# Altium PCB VCOCXO Breakout.PcbDoc (continued)
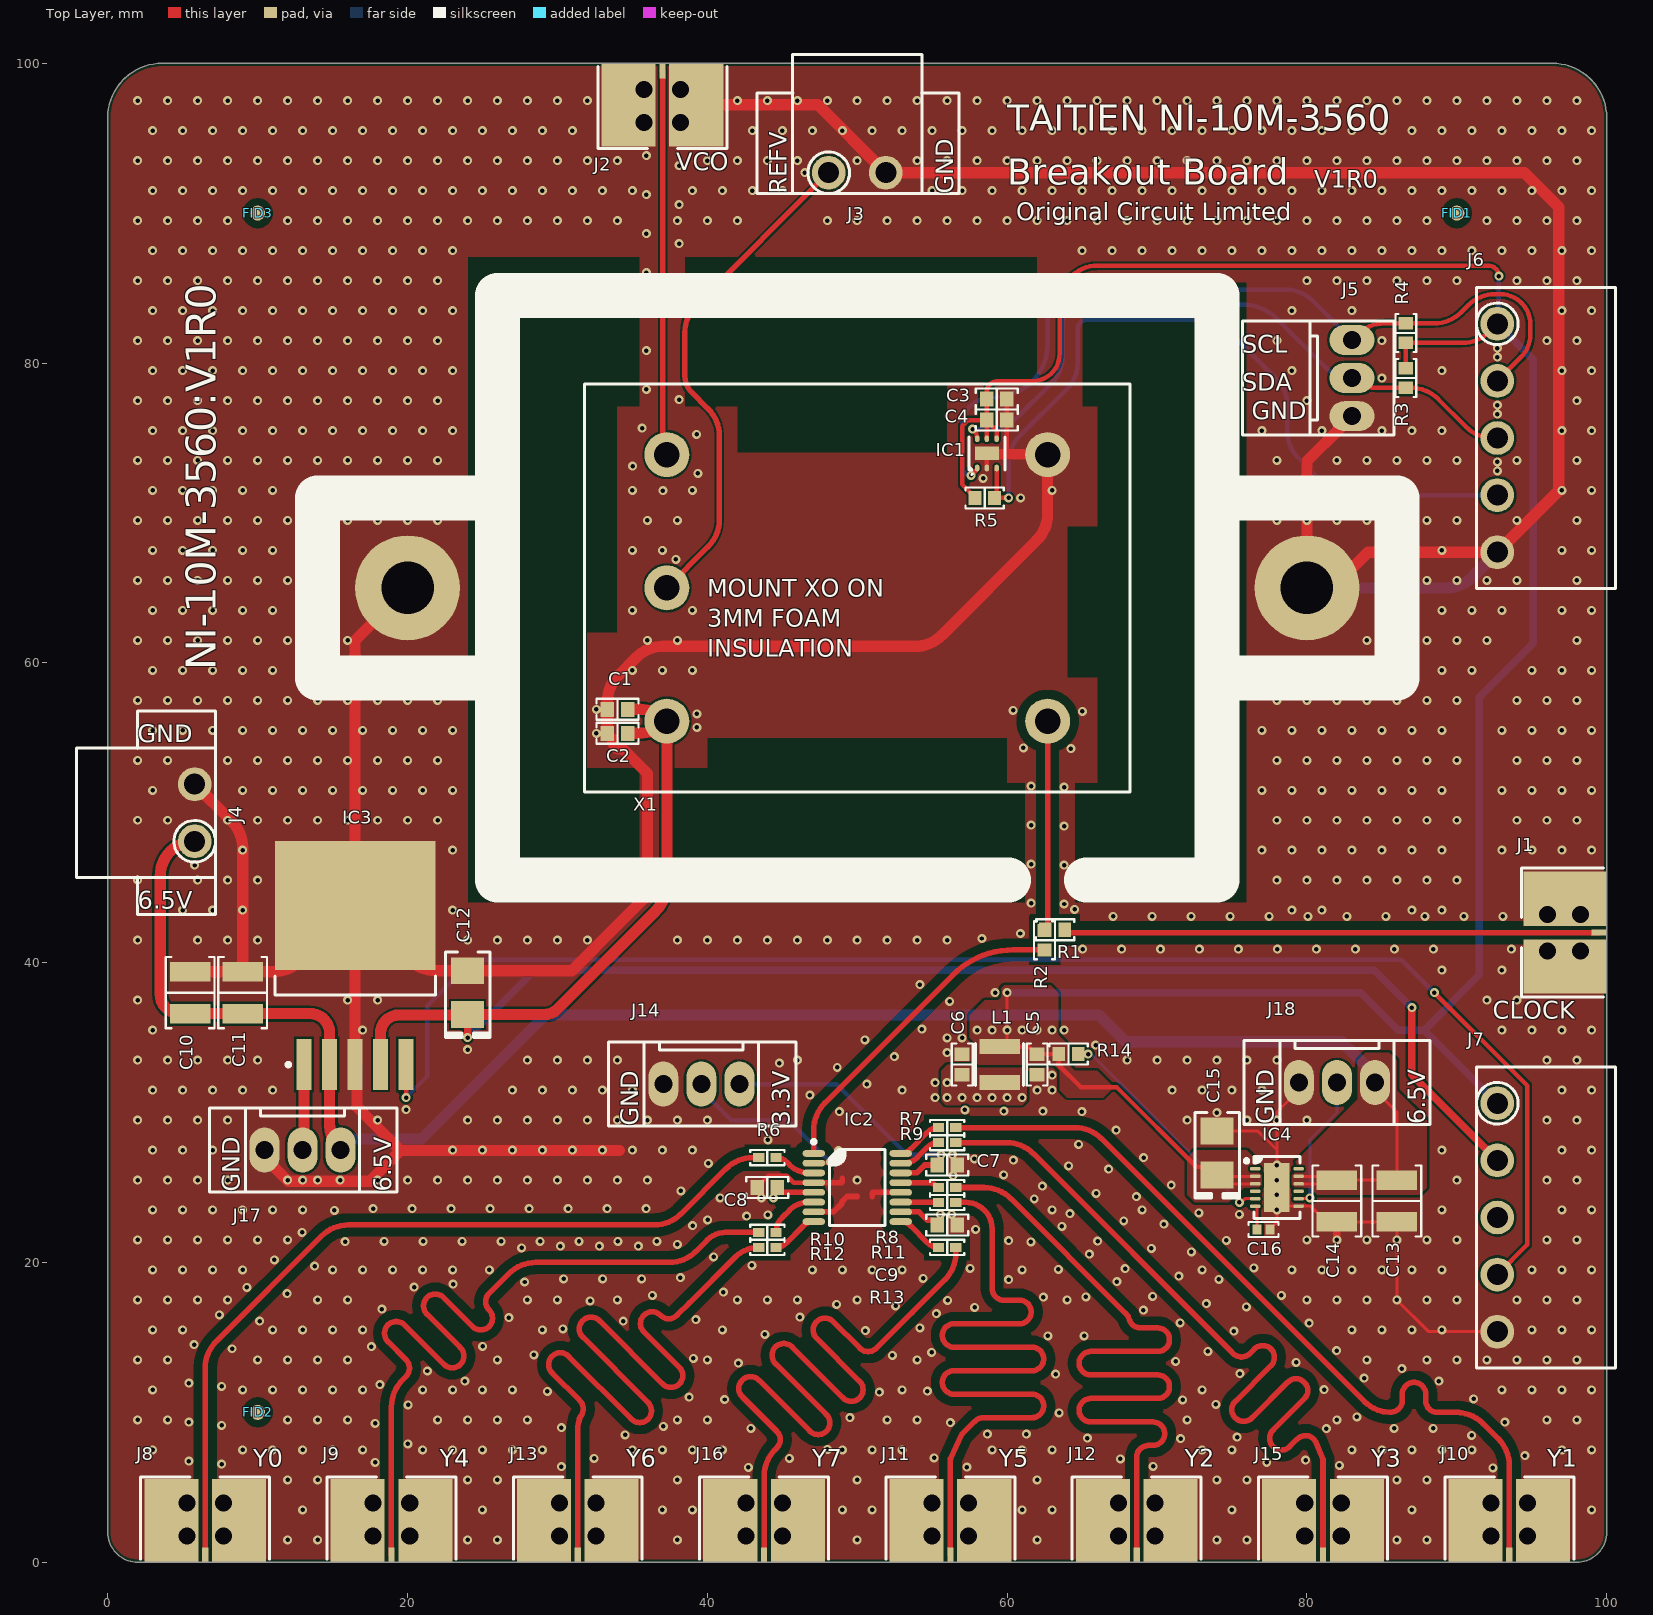
[diagram p0: Top Layer view]
## Nets (pads, with @x,y where several pads share a name; then routed paths per layer and width w, separated by ;. In a path a pad name is that pad's centre, name@x,y a point inside that pad or via, vN(x,y) a via of type N, cw(c..) or ccw(c..) an arc to the next point about the centre after c; other vN are vias at no path point) (continued)
  Bottom Layer w0.75: J17.1 15.54,27.662 16.117,28.239 20.939,28.239 29.2,36.5 66.114,36.5 67.889,34.725 82.315,34.725 84.54,32.5 J18.1
BYP: C16.2 IC4.6 | length 1.6
  Top Layer w0.2: IC4.6 76.637,23.75 76.66,23.727 C16.2
CLK_IN: IC2.1 R2.1 | length 22.2
  Top Layer w0.367: IC2.1 47.1,28.848 cw(c49.64,28.848) 47.844,30.644 56.387,39.187 cw(c60.402,35.172) 60.402,40.85 R2.1 ; IC2.1@47.108,27.283 IC2.1@47.115,27.277
CLK_OUT: R1.1 R2.2 X1.4 | length 14
  Top Layer w0.367: R2.2 ccw(c62.017,42.633) 62.7,42.633 X1.4
CLK_SMA: J1.S R1.2 | length 35.7
  Top Layer w0.367: R1.2 ccw(c64.333,42.683) 64.333,42 J1.S
CLK_Y0: J8.S R6.2 | length 55.4
  Top Layer w0.367: J8.S 6.5,12.948 cw(c9.04,12.948) 7.244,14.744 14.256,21.756 cw(c16.052,19.96) 16.052,22.5 36.448,22.5 ccw(c36.448,25.04) 38.244,23.244 41.256,26.256 cw(c43.052,24.46) 43.052,27 R6.2
CLK_Y1: J10.S R7.2 | length 55
  Top Layer w0.367: R7.2 64.5,29 cw(c64.5,26.46) 66.296,28.256 83.808,10.744 ccw(c85.604,12.54) 85,10.073 ccw(c85.604,12.54) 85.184,10.035 85.51,10.008 ccw(c85.576,10.789) 86.359,10.789 86.359,11.216 cw(c87.143,11.216) 87.927,11.216 87.927,10.784 ccw(c88.71,10.784) 88.71,10 89.93,10 89.948,10 cw(c89.948,7.46) 90.127,9.994 cw(c89.948,7.46) 90.304,9.975 cw(c89.948,7.46) 91.744,9.256 92.756,8.244 cw(c90.96,6.448) 93.5,6.448 J10.S
CLK_Y2: J12.S R8.2 | length 55.2
  Top Layer w0.367: R8.2 58.448,25 cw(c58.448,22.46) 60.244,24.256 67.899,16.601 cw(c66.103,14.805) 67.903,16.597 cw(c66.103,14.805) 68.069,16.413 68.163,16.149 ccw(c68.901,16.413) 68.901,15.629 70.049,15.629 cw(c70.049,14.845) 70.049,14.062 65.586,14.062 ccw(c65.586,13.278) 65.586,12.494 70.049,12.494 cw(c70.049,11.711) 70.049,10.927 65.586,10.927 ccw(c65.586,10.143) 65.586,9.359 69.723,9.359 cw(c69.723,8.576) 69.723,7.792 69.427,7.792 ccw(c69.427,7.008) 68.643,7.008 68.643,5.428 J12.S
CLK_Y3: J15.S R9.2 | length 55.2
  Top Layer w0.367: R9.2 59.948,28 cw(c59.948,25.46) 61.744,27.256 74.95,14.05 75.08,13.92 ccw(c75.634,14.474) 76.188,13.92 76.494,14.226 cw(c77.048,13.672) 77.602,14.226 cw(c77.048,13.672) 77.602,13.118 75.22,10.736 ccw(c75.775,10.182) 75.22,9.627 ccw(c75.775,10.182) 76.329,9.627 78.711,12.009 cw(c79.265,11.455) 79.819,12.009 cw(c79.265,11.455) 79.819,10.901 77.739,8.821 ccw(c78.293,8.267) 77.739,7.713 ccw(c78.293,8.267) 78.847,7.713 79.346,8.211 cw(c79.9,7.657) 80.624,7.957 81.071,6.876 81.071,6.329 J15.S
CLK_Y4: J9.S R10.2 | length 55.2
  Top Layer w0.367: J9.S 18.929,10.376 cw(c21.469,10.376) 19.673,12.173 19.771,12.271 19.901,12.401 ccw(c19.347,12.955) 19.901,13.51 18.688,14.723 cw(c19.242,15.277) 18.688,15.831 cw(c19.242,15.277) 19.796,15.831 22.424,13.204 ccw(c22.978,13.758) 23.532,13.204 ccw(c22.978,13.758) 23.532,14.312 21.293,16.551 cw(c21.847,17.105) 21.293,17.659 cw(c21.847,17.105) 22.401,17.659 24.335,15.726 ccw(c24.889,16.28) 25.443,15.726 ccw(c24.889,16.28) 25.443,16.835 cw(c25.997,17.389) 25.443,17.943 26.31,18.81 26.756,19.256 cw(c28.552,17.46) 28.552,20 37.448,20 ccw(c37.448,22.54) 39.244,20.744 40,21.5 cw(c41.207,20.293) 41.207,22 R10.2
CLK_Y5: J11.S R11.2 | length 55.2
  Top Layer w0.367: J11.S 56.214,6.715 cw(c58.754,6.715) 56.214,6.719 cw(c58.754,6.715) 56.221,6.902 56.958,8.511 57.863,9.416 cw(c58.417,8.862) 58.417,9.645 61.652,9.645 ccw(c61.652,10.429) 61.652,11.213 56.463,11.213 cw(c56.463,11.997) 56.463,12.78 61.652,12.78 ccw(c61.652,13.564) 61.652,14.348 56.463,14.348 cw(c56.463,15.131) 56.463,15.915 60.821,15.915 ccw(c60.821,16.699) 60.821,17.483 59.784,17.483 cw(c59.784,18.266) 59,18.266 59,19.552 59,22.234 ccw(c57.23,22.234) 58.481,23.486 ccw(c57.24,22.245) 57.24,24 R11.2
CLK_Y6: J13.S R12.2 | length 55.2
  Top Layer w0.367: J13.S 31.357,8.805 cw(c33.897,8.805) 31.443,9.458 cw(c33.897,8.805) 31.504,9.657 31.599,9.806 ccw(c30.936,10.225) 31.49,10.779 29.637,12.632 cw(c30.191,13.186) 29.637,13.741 cw(c30.191,13.186) 30.745,13.741 34.94,9.546 ccw(c35.494,10.1) 36.049,9.546 ccw(c35.494,10.1) 36.049,10.654 31.689,15.013 cw(c32.244,15.567) 31.689,16.121 cw(c32.244,15.567) 32.798,16.121 37.022,11.897 ccw(c37.576,12.451) 38.13,11.897 ccw(c37.576,12.451) 38.13,13.006 35.764,15.372 cw(c36.318,15.926) 35.764,16.48 cw(c36.318,15.926) 36.872,16.48 ccw(c37.426,17.035) 37.98,16.48 38.804,17.304 41.846,20.346 cw(c43.425,18.767) R12.2
CLK_Y7: J16.S R13.2 | length 55.2
  Top Layer w0.367: J16.S 43.786,5.734 cw(c46.326,5.734) 44.5,7.5 cw(c46.326,5.734) 44.53,7.53 44.63,7.63 ccw(c44.076,8.184) 44.63,8.738 42.329,11.04 cw(c42.883,11.594) 42.329,12.148 cw(c42.883,11.594) 43.437,12.148 46.839,8.746 ccw(c47.393,9.3) 47.947,8.746 ccw(c47.393,9.3) 47.947,9.854 44.545,13.256 cw(c45.1,13.81) 44.545,14.365 cw(c45.1,13.81) 45.654,14.365 49.056,10.963 ccw(c49.61,11.517) 50.164,10.963 ccw(c49.61,11.517) 50.164,12.071 47.289,14.946 cw(c47.844,15.5) 47.289,16.054 cw(c47.844,15.5) 48.398,16.054 ; 48.398,16.054 50.172,14.28 ccw(c50.726,14.834) 51.28,14.28 53.654,16.654 55.831,18.831 ccw(c54.035,20.627) 56.575,20.627 R13.2
ERR_5V: IC3.5 J7.4 | length 100.5
  Top Layer w0.3: v1(19.9,31) IC3.5 ; v1(88.5,38) 94.7,31.8 94.7,21.192 J7.4
  Bottom Layer w0.3: v1(19.9,31) 21.3,32.4 21.3,37.1 24.4,40.2 86.3,40.2 v1(88.5,38)
GND: C1.1 C2.2 C3.1 C4.2 C5.1 C6.1 C7.2 C8.2 C9.2 C10.1 C11.1 C12.2 C13.1 C14.1 C15.2 C16.1 IC1.2 IC1.7 IC2.4 IC2.7 IC2.12 IC3.3 IC3.6 IC4.7 IC4.13 J1.G J2.G J3.2 J4.2 J5.3 J6.5 J7.5 J8.G J9.G J10.G J11.G J12.G J13.G J14.3 J15.G J16.G J17.3 J18.3 pad.M pad.M1 X1.5 | length 352.2
  Top Layer w0.2: C15.2 76.74,28.76 78,27.5 ; C16.1 77.54,22.22 78,22.68 v1(78,23.5) 78.25,23.75 IC4.7 80.25,23.75 81.3,22.7 C14.1 C13.1 v1(86,21.5) v1(86,17.5) 88.12,15.38 J7.5 ; v1(78,26.5) 78,27.5 ; J18.3 79.46,31.5 78,30.04 78,27.5
  Top Layer w0.3: v1(43.6,24.3) 43.6,24.725 C8.2 43.325,25.05 44.075,25.8 45.3,25.8 45.775,25.325 IC2.4 ; v1(56.3,23.2) 56.3,23.119 56.375,23.044 56.375,22.8 C9.2 ; v1(56.35,27.2) 56.375,27.175 56.375,26.8 C7.2 ; IC1.2 IC1.7 ; C3.1 C4.2 59.975,74.057 60.1,73.932
  Top Layer w0.381: IC2.7 48.422,23.375 48.96,23.914 48.96,24.035 49.325,24.4 50,24.4 ; IC2.4 48.96,25.325 49,25.364 49,25.6 ; 51,24.4 51,24.636 51.039,24.675 IC2.12
  Top Layer w0.5: v1(82,21.5) C14.1
  Top Layer w0.7: IC1.7 58.693,73.932 60.1,73.932 62.657,73.932 X1.5
  Top Layer w0.75: C10.1 C11.1 ; J4.2 8.256,49.451 cw(c6.46,47.655) 9,47.655 C11.1 ; J17.3 10.46,27 12.035,25.425 17.505,25.425 19.54,27.46 ; pad.M1 16.5,61.5 IC3.6 ; 34.12,27.46 19.54,27.46 ; J2.G@39.26,97.23 47.373,97.23 J3.2 94.502,92.698 96.8,90.4 96.8,71.482 J6.5 84.071,67.38 81.691,65 pad.M 80,73.46 82.261,75.721 82.261,75.883 82.838,76.46 J5.3 ; X1.5 62.7,69.952 cw(c60.16,69.952) 61.956,68.156 55.644,61.844 cw(c53.848,63.64) 53.848,61.1 37.052,61.1 ccw(c37.052,58.56) 35.256,60.356 34.069,59.169 ccw(c35.865,57.373) 33.325,57.373 C1.1 C2.2 33.325,55.25 33.7,54.875 33.7,54.583 34.008,54.275 34.35,54.275 36,52.625 36,44.5 34.108,42.608 30.96,39.46 26.508,39.46 C12.2 21.892,39.46 cw(c21.892,42) 20.096,40.204 IC3.6 ; C11.1 11.048,39.4 ccw(c11.048,41.94) 12.844,40.144 IC3.6 ; IC3.6 IC3.3 16.625,33.075 16.625,30.375 19.54,27.46
  Bottom Layer w0.75: pad.M 89.266,65 ccw(c89.266,67.54) 91.062,65.744 J6.5
  other v1: 12,1.5 14,1.5 24,1.5 26,1.5 38,1.5 50,1.5 62,1.5 74,1.5 76,1.5 86,1.5 88,1.5 13,3.5 25,3.5 37,3.5 39,3.5 49,3.5 51,3.5 61,3.5 63,3.5 75,3.5 87,3.5 99,3.5 12,5.5 14,5.5 24,5.5 26,5.5 38,5.5 50,5.5 62,5.5 74,5.5 76,5.5 86,5.5 88,5.5 92.405,6.293 42.74,6.328 57.309,6.346 30.262,6.375 69.738,6.395 82.166,6.466 7.595,6.538 17.834,6.67 77.319,6.663 5.405,6.742 79.915,6.807 67.548,6.889 32.452,6.922 45.475,6.931 55.131,6.961 94.535,7.114 3,7.5 9,7.5 11,7.5 13,7.5 15,7.5 17,7.5 21,7.5 23,7.5 25,7.5 27,7.5 29,7.5 35,7.5 37,7.5 39,7.5 41,7.5 49,7.5 51,7.5 53,7.5 59,7.5 61,7.5 63,7.5 73,7.5 75,7.5 83,7.5 85,7.5 87,7.5 89,7.5 91,7.5 97,7.5 99,7.5 48.006,7.525 20.024,7.897 71.57,8.24 65.353,8.283 75.345,8.355 90.982,8.469 34.522,8.495 58.688,8.55 61.288,8.55 42.896,8.923 81.294,8.915 85.823,8.93 88.423,8.93 30.268,8.975 37.06,9.06 7.595,9.138 17.834,9.27 5.405,9.342 56.22,9.322 93.202,9.346 2,9.5 4,9.5 12,9.5 14,9.5 16,9.5 22,9.5 24,9.5 26,9.5 28,9.5 38,9.5 40,9.5 52,9.5 54,9.5 72,9.5 82,9.5 96,9.5 98,9.5 49.516,9.641 83.339,9.699 63.47,9.965 20.038,10.497 73.93,10.536 71.711,10.837 41.158,10.857 91.12,10.902 38.779,11.011 51.479,11.347 29.323,11.397 54.677,11.415 3,11.5 9,11.5 11,11.5 13,11.5 15,11.5 17,11.5 21,11.5 23,11.5 25,11.5 27,11.5 53,11.5 73,11.5 93,11.5 95,11.5 97,11.5 99,11.5 81.141,11.511 7.595,11.738 18.149,11.851 5.405,11.942 23.831,12.085 88.806,12.088 83.818,12.283 63.235,12.554 75.525,12.589 21.32,12.759 86.34,12.913 42.077,13.29 79.284,13.331 71.237,13.393 2,13.5 4,13.5 10,13.5 12,13.5 14,13.5 16,13.5 26,13.5 40,13.5 54,13.5 84,13.5 88,13.5 90,13.5 92,13.5 94,13.5 96,13.5 98,13.5 39.062,13.595 52.346,13.798 28.432,13.84 54.969,13.998 73.385,14.066 81.979,14.122 8.292,14.243 17.588,14.39 25.005,14.405 5.759,14.517 62.725,15.104 65.136,15.099 43.838,15.202 75.133,15.415 50.547,15.453 3,15.5 5,15.5 11,15.5 13,15.5 15,15.5 17,15.5 29,15.5 41,15.5 83,15.5 85,15.5 87,15.5 89,15.5 95,15.5 97,15.5 99,15.5 30.368,15.576 54.185,15.636 71.547,15.975 80.141,15.96 10.13,16.081 34.39,16.078 39.238,16.189 26.765,16.319 46.17,16.352 7.447,16.495 55.271,16.58 69.085,16.811 18.29,16.893 57.835,17.01 75.968,17.035 52.556,17.104 48.626,17.205 73.295,17.254 32.177,17.443 56.023,17.475 2,17.5 4,17.5 6,17.5 8,17.5 14,17.5 16,17.5 28,17.5 30,17.5 34,17.5 42,17.5 44,17.5 46,17.5 50,17.5 64,17.5 80,17.5 82,17.5 84,17.5 88,17.5 90,17.5 94,17.5 96,17.5 98,17.5 62.418,17.686 65.255,17.697 69.708,17.743 36.336,17.802 78.302,17.799 11.969,17.92 41.076,18.028 9.285,18.334 20.442,18.353 23.034,18.558 27.818,18.696 67.324,18.725 60.095,18.854 74.13,18.874 30.41,18.905 33.01,18.905 35.61,18.905 54.394,18.943 38.209,18.988 71.456,19.092 3,19.5 5,19.5 7,19.5 9,19.5 15,19.5 17,19.5 19,19.5 21,19.5 23,19.5 25.456,19.504 47,19.5 49,19.5 51,19.5 53,19.5 61,19.5 73,19.5 79,19.5 81,19.5 83,19.5 85,19.5 87,19.5 89,19.5 95,19.5 97,19.5 99,19.5 63.416,19.535 67.87,19.581 57.523,19.599 76.464,19.637 13.807,19.758 42.977,19.802 11.124,20.172 40.414,20.365 65.486,20.563 72.291,20.712 69.618,20.931 27.605,20.967 30.202,21.095 32.802,21.095 35.402,21.095 37.999,21.207 15.838,21.382 61.578,21.374 18.438,21.405 21.038,21.405 23.638,21.405 26.238,21.405 28.838,21.405 31.438,21.405 34.038,21.405 36.638,21.412 66.032,21.42 60.095,21.454 74.625,21.476 2,21.5 4,21.5 6,21.5 8,21.5 10,21.5 12,21.5 80,21.5 84,21.5 88,21.5 90,21.5 96,21.5 98,21.5 12.962,22.011 57.901,22.209 63.647,22.401 39.016,22.462 70.453,22.551 67.779,22.769 40.026,22.835 42.613,23.095 44.035,23.177 75.5,23.2 64.193,23.258 72.787,23.314 15.114,23.47 3,23.5 5,23.5 7,23.5 9,23.5 11,23.5 13,23.5 63,23.5 69,23.5 89,23.5 97,23.5 99,23.5 17.711,23.595 20.311,23.595 22.911,23.595 25.511,23.595 28.111,23.595 30.711,23.595 33.311,23.595 35.911,23.595 61.809,24.24 40.852,24.303 68.614,24.389 78,24.5 65.941,24.608 38.228,24.776 62.355,25.097 70.948,25.152 2,25.5 4,25.5 6,25.5 8,25.5 12,25.5 13,25.5 14,25.5 15.5,25.5 18,25.5 20,25.5 22,25.5 24,25.5 26,25.5 28,25.5 30,25.5 32,25.5 34,25.5 36,25.5 50,25.5 78,25.5 90,25.5 96,25.5 98,25.5 56.4,25.8 59.764,25.846 66.776,26.228 64.102,26.446 40.066,26.615 60.408,26.821 57.81,26.905 69.11,26.991 48.744,27.456 3,27.5 5,27.5 7,27.5 23,27.5 25,27.5 27,27.5 29,27.5 31,27.5 33,27.5 35,27.5 37,27.5 39,27.5 89,27.5 97,27.5 99,27.5 64.765,27.877 44.035,28.177 67.271,28.829 2,29.5 4,29.5 6,29.5 8,29.5 18,29.5 24,29.5 26,29.5 28,29.5 30,29.5 32,29.5 34,29.5 36,29.5 38,29.5 40,29.5 72,29.5 76,29.5 78,29.5 80,29.5 96,29.5 98,29.5 74,30 48.804,30.055 64.983,30.065 59.784,30.095 62.384,30.095 57.185,30.177 19.9,30.2 55.2,31 46.842,31.163 3,31.5 5,31.5 7,31.5 9,31.5 11,31.5 27,31.5 29,31.5 31,31.5 33,31.5 35,31.5 53,31.5 62,31.5 63,31.5 71,31.5 73,31.5 75,31.5 77,31.5 97,31.5 99,31.5 50.642,31.894 55.2,32 63,32.5 48.666,33.015 44.8,33.3 2,33.5 4,33.5 6,33.5 8,33.5 10,33.5 28,33.5 30,33.5 32,33.5 34,33.5 46,33.5 68,33.5 70,33.5 72,33.5 74,33.5 76,33.5 78,33.5 96,33.5 98,33.5 52.481,33.732 56,34 24,34.2 65.9,34.5 50.505,34.853 56,34.975 57,34.975 3,35.5 17,35.5 63.8,35.5 93,35.5 95,35.5 97,35.5 99,35.5 54.319,35.571 56.158,37.409 2,37.5 16,37.5 18,37.5 92,37.5 94,37.5 59.2,38 54.182,38.53 89,39.5 93,39.5 65.031,40.905 67.631,40.905 70.231,40.905 72.831,40.905 75.431,40.905 78.031,40.905 80.631,40.905 83.231,40.905 85.831,40.905 88.431,40.905 93.631,40.905 2,41.5 6,41.5 8,41.5 10,41.5 24,41.5 26,41.5 28,41.5 30,41.5 32,41.5 38,41.5 40,41.5 42,41.5 44,41.5 46,41.5 48,41.5 50,41.5 52,41.5 54,41.5 56,41.5 58.312,41.612 60.891,41.945 67.07,43.095 69.67,43.095 72.27,43.095 74.87,43.095 77.47,43.095 80.07,43.095 82.67,43.095 85.27,43.095 87.87,43.095 90.47,43.095 93.07,43.095 5,43.5 7,43.5 9,43.5 23,43.5 79,43.5 81,43.5 87,43.5 89,43.5 64.51,43.552 63.795,43.913 61.605,43.977 2,45.5 6,45.5 8,45.5 10,45.5 78,45.5 80,45.5 82,45.5 84,45.5 86,45.5 88,45.5 90,45.5 5.8,46.5 63.795,46.513 61.605,46.577 9,47.5 23,47.5 77,47.5 79,47.5 81,47.5 83,47.5 85,47.5 87,47.5 89,47.5 93,47.5 95,47.5 97,47.5 99,47.5 63.795,49.113 61.605,49.177 2,49.5 4,49.5 8,49.5 10,49.5 12,49.5 14,49.5 16,49.5 18,49.5 20,49.5 22,49.5 78,49.5 80,49.5 82,49.5 84,49.5 86,49.5 88,49.5 90,49.5 94,49.5 96,49.5 98,49.5 3,51.5 9,51.5 11,51.5 13,51.5 15,51.5 17,51.5 19,51.5 21,51.5 23,51.5 77,51.5 79,51.5 81,51.5 83,51.5 85,51.5 87,51.5 89,51.5 93,51.5 95,51.5 97,51.5 99,51.5 63.795,51.713 61.605,51.777 2,53.5 4,53.5 8,53.5 10,53.5 12,53.5 14,53.5 16,53.5 18,53.5 20,53.5 22,53.5 78,53.5 80,53.5 82,53.5 84,53.5 86,53.5 88,53.5 90,53.5 94,53.5 96,53.5 98,53.5 64.256,54.272 61.081,54.324 32.6,55.3 3,55.5 5,55.5 7,55.5 9,55.5 11,55.5 13,55.5 15,55.5 17,55.5 19,55.5 21,55.5 23,55.5 77,55.5 79,55.5 81,55.5 83,55.5 85,55.5 87,55.5 89,55.5 93,55.5 95,55.5 97,55.5 99,55.5 39.3,55.7 39.3,56.6 65.02,56.757 60.404,56.834 32.6,56.9 2,57.5 4,57.5 6,57.5 8,57.5 10,57.5 12,57.5 14,57.5 16,57.5 18,57.5 20,57.5 22,57.5 78,57.5 80,57.5 82,57.5 84,57.5 86,57.5 88,57.5 90,57.5 94,57.5 96,57.5 98,57.5 3,59.5 5,59.5 7,59.5 9,59.5 11,59.5 13,59.5 15,59.5 17,59.5 19,59.5 21,59.5 23,59.5 35,59.5 37,59.5 39,59.5 77,59.5 79,59.5 81,59.5 83,59.5 85,59.5 87,59.5 89,59.5 91,59.5 95,59.5 97,59.5 99,59.5 2,61.5 4,61.5 6,61.5 8,61.5 10,61.5 12,61.5 14,61.5 16,61.5 36,61.5 38,61.5 84,61.5 86,61.5 88,61.5 90,61.5 92,61.5 98,61.5 3,63.5 5,63.5 7,63.5 9,63.5 11,63.5 13,63.5 15,63.5 35,63.5 39,63.5 85,63.5 87,63.5 89,63.5 91,63.5 93,63.5 97,63.5 99,63.5 2,65.5 4,65.5 6,65.5 8,65.5 10,65.5 12,65.5 14,65.5 86,65.5 88,65.5 90,65.5 92,65.5 94,65.5 98,65.5 37.9,66.9 3,67.5 5,67.5 7,67.5 9,67.5 11,67.5 13,67.5 15,67.5 35,67.5 37,67.5 85,67.5 87,67.5 89,67.5 97,67.5 99,67.5 2,69.5 4,69.5 6,69.5 8,69.5 10,69.5 12,69.5 14,69.5 16,69.5 18,69.5 20,69.5 22,69.5 36,69.5 38,69.5 78,69.5 80,69.5 82,69.5 84,69.5 86,69.5 88,69.5 90,69.5 94,69.5 98,69.5 60.9,71 3,71.5 5,71.5 7,71.5 9,71.5 11,71.5 13,71.5 15,71.5 17,71.5 19,71.5 21,71.5 23,71.5 35,71.5 37.035,71.497 39,71.5 63,71.5 77,71.5 79,71.5 97,71.5 99,71.5 58.4,72.3 39.366,72.648 92.7,72.8 35.014,73.133 92.7,73.4 2,73.5 4,73.5 6,73.5 8,73.5 10,73.5 12,73.5 14,73.5 16,73.5 18,73.5 20,73.5 22,73.5 78,73.5 82,73.5 84,73.5 86,73.5 88,73.5 90,73.5 94,73.5 98,73.5 39.29,75.246 3,75.5 5,75.5 7,75.5 9,75.5 11,75.5 13,75.5 15,75.5 17,75.5 19,75.5 21,75.5 23,75.5 77,75.5 81,75.5 85,75.5 87,75.5 89,75.5 97,75.5 99,75.5 35.654,75.653 92.7,76.6 92.7,77.2 2,77.5 4,77.5 6,77.5 8,77.5 10,77.5 12,77.5 14,77.5 16,77.5 18,77.5 20,77.5 22,77.5 80,77.5 98,77.5 38.116,77.566 35.934,78.237 85,79 3,79.5 5,79.5 7,79.5 9,79.5 11,79.5 13,79.5 15,79.5 17,79.5 19,79.5 21,79.5 23,79.5 79,79.5 89,79.5 97,79.5 99,79.5 92.7,80.4 35.934,80.837 92.7,81 2,81.5 4,81.5 6,81.5 8,81.5 10,81.5 12,81.5 14,81.5 16,81.5 18,81.5 20,81.5 22,81.5 78,81.5 85,81.5 96,81.5 98,81.5 35.934,83.437 3,83.5 5,83.5 7,83.5 9,83.5 11,83.5 13,83.5 15,83.5 17,83.5 19,83.5 21,83.5 23,83.5 79,83.5 83,83.5 97,83.5 99,83.5 38.116,85.366 2,85.5 4,85.5 6,85.5 8,85.5 10,85.5 12,85.5 14,85.5 16,85.5 18,85.5 20,85.5 22,85.5 80,85.5 82,85.5 84,85.5 86,85.5 88,85.5 90,85.5 94,85.5 96,85.5 98,85.5 35.934,86.037 3,87.5 5,87.5 7,87.5 9,87.5 11,87.5 13,87.5 15,87.5 17,87.5 19,87.5 21,87.5 23,87.5 65,87.5 67,87.5 69,87.5 71,87.5 73,87.5 75,87.5 77,87.5 79,87.5 81,87.5 83,87.5 85,87.5 87,87.5 89,87.5 91,87.5 93,87.5 95,87.5 97,87.5 99,87.5 38.116,87.966 35.934,88.637 2,89.5 4,89.5 6,89.5 8,89.5 12,89.5 14,89.5 16,89.5 18,89.5 20,89.5 22,89.5 24,89.5 26,89.5 28,89.5 30,89.5 32,89.5 34,89.5 38,89.5 40,89.5 42,89.5 48,89.5 50,89.5 52,89.5 54,89.5 56,89.5 58,89.5 60,89.5 62,89.5 64,89.5 66,89.5 68,89.5 70,89.5 72,89.5 74,89.5 76,89.5 78,89.5 80,89.5 82,89.5 84,89.5 86,89.5 88,89.5 92,89.5 94,89.5 96,89.5 98,89.5 38.116,90.566 35.934,91.237 3,91.5 5,91.5 7,91.5 9,91.5 11,91.5 13,91.5 15,91.5 17,91.5 19,91.5 21,91.5 23,91.5 25,91.5 27,91.5 29,91.5 31,91.5 33,91.5 35,91.5 39,91.5 41,91.5 43,91.5 45,91.5 55,91.5 57,91.5 59,91.5 61,91.5 63,91.5 65,91.5 67,91.5 69,91.5 71,91.5 73,91.5 75,91.5 77,91.5 79,91.5 81,91.5 83,91.5 85,91.5 87,91.5 89,91.5 91,91.5 93,91.5 95,91.5 97,91.5 99,91.5 46.5,92.7 38.116,93.166 2,93.5 4,93.5 6,93.5 8,93.5 10,93.5 12,93.5 14,93.5 16,93.5 18,93.5 20,93.5 22,93.5 24,93.5 26,93.5 28,93.5 30,93.5 32,93.5 34,93.5 40,93.5 42,93.5 44,93.5 46,93.5 50,93.5 54,93.5 56,93.5 58,93.5 60,93.5 62,93.5 64,93.5 66,93.5 68,93.5 70,93.5 72,93.5 74,93.5 76,93.5 78,93.5 80,93.5 82,93.5 84,93.5 86,93.5 88,93.5 90,93.5 92,93.5 94,93.5 96,93.5 98,93.5 35.934,93.837 3,95.5 5,95.5 7,95.5 9,95.5 11,95.5 13,95.5 15,95.5 17,95.5 19,95.5 21,95.5 23,95.5 25,95.5 27,95.5 29,95.5 31,95.5 43,95.5 45,95.5 47,95.5 49,95.5 51,95.5 53,95.5 55,95.5 57,95.5 59,95.5 61,95.5 63,95.5 65,95.5 67,95.5 69,95.5 71,95.5 73,95.5 75,95.5 77,95.5 79,95.5 81,95.5 83,95.5 85,95.5 87,95.5 89,95.5 91,95.5 93,95.5 95,95.5 97,95.5 99,95.5 2,97.5 4,97.5 6,97.5 8,97.5 10,97.5 12,97.5 14,97.5 16,97.5 18,97.5 20,97.5 22,97.5 24,97.5 26,97.5 28,97.5 30,97.5 32,97.5 42,97.5 44,97.5 46,97.5 48,97.5 50,97.5 52,97.5 54,97.5 56,97.5 58,97.5 60,97.5 62,97.5 64,97.5 66,97.5 68,97.5 70,97.5 72,97.5 74,97.5 76,97.5 78,97.5 80,97.5 82,97.5 84,97.5 86,97.5 88,97.5 90,97.5 92,97.5 94,97.5 96,97.5 98,97.5
OUT_EN: IC2.2 J14.2 | length 12.1
  Top Layer w0.3: IC2.2 47.129,26.654 48.154,26.654 v1(48.2,26.7)
  Bottom Layer w0.3: J14.2 39.6,31.5 41.6,29.5 45.4,29.5 v1(48.2,26.7)
SCL: IC1.1 J5.1 J6.2 R4.2 | length 56.2
  Top Layer w0.3: v1(57.6,72.5) 57.6,72.525 58,72.925 IC1.1 ; J5.1 83.366,81.906 cw(c85.162,80.11) 85.162,82.65 88.498,82.65 ccw(c88.498,85.19) 90.294,83.394 90.756,83.856 cw(c92.552,82.06) 92.552,84.6 92.893,84.6 cw(c92.893,82.593) 94.9,82.593 94.9,81.9 cw(c92.756,81.9) 94.272,80.384 J6.2
  Bottom Layer w0.3: v1(57.6,72.5) cw(c57.6,73.1) 57,73.1 57,75.855 cw(c58.803,75.855) 58.415,77.615 cw(c58.803,75.855) 58.633,77.649 ; 58.803,77.657 ccw(c58.803,75.855) 58.633,77.649 ; J5.1 80.384,84.156 ccw(c78.588,82.36) 78.588,84.9 64.7,84.9 ccw(c64.7,82.9) 62.7,82.9 62.7,81.261 cw(c59.172,81.261) 61.667,78.767 cw(c59.437,80.998) 60.648,78.085 cw(c58.446,83.39) 58.633,77.649
SD_3V3REG: IC4.8 J18.2 | length 9.2
  Top Layer w0.2: IC4.8 79.46,24.26 80.16,24.26 v1(80.2,24.3)
  Bottom Layer w0.2: v1(80.2,24.3) 80.2,28.2 82,30 J18.2
SD_5VREG: IC3.1 J17.2 | length 5.7
  Top Layer w0.75: J17.2 ccw(c12.759,27.741) 13.1,27.741 IC3.1
SDA: IC1.6 J5.2 J6.3 R3.2 | length 44.3
  Top Layer w0.3: v1(57.7,75.6) 57.7,75.7 cw(c56.976,74.976) 58,74.976 IC1.6 ; J5.2 ccw(c84.569,80.569) 84.569,78.35 R3.2 86.948,78.35 cw(c86.948,75.81) 88.744,77.606 90.606,75.744 ccw(c92.402,77.54) 92.402,75 J6.3
  Bottom Layer w0.3: v1(57.7,75.6) 58.848,75.6 ccw(c58.848,78.14) 60.644,76.344 62.956,78.656 ccw(c61.16,80.452) 63.7,80.452 63.7,82.517 cw(c65.083,82.517) 65.083,83.9 75.713,83.9 cw(c75.713,80.677) 77.992,82.956 81.204,79.744 ccw(c83,81.54) J5.2
TEMP_ALERT: IC1.3 J6.4 R5.2 | length 51
  Top Layer w0.3: IC1.3 59.3,71.15 R5.2 v1(60.1,71)
  Bottom Layer w0.3: v1(60.1,71) 60.1,73.348 cw(c62.64,73.348) 60.844,75.144 64.028,78.328 ccw(c62.406,79.95) 64.7,79.95 64.7,82.259 cw(c65.341,82.259) 65.341,82.9 72.948,82.9 cw(c72.948,80.36) 74.744,82.156 77.956,78.944 cw(c76.16,77.148) 78.7,77.148 78.7,75.39 ccw(c81.09,75.39) 79.4,73.7 81.166,71.934 ccw(c82.962,73.73) 82.962,71.19 J6.4
VCO: J2.S X1.1 | length 25.7
  Top Layer w0.36: J2.S 37.025,99.475 37.025,74.165 X1.1
XO_REFV: J3.1 X1.2 | length 33.7
  Top Layer w0.36: X1.2 40.056,67.756 ccw(c38.26,69.552) 40.8,69.552 40.8,75.148 ccw(c38.26,75.148) 40.056,76.944 38.944,78.056 cw(c40.016,79.128) 38.5,79.128 38.5,82.051 cw(c41.04,82.051) 39.244,83.847 J3.1
Y0: IC2.3 R6.1 | length 2.8
  Top Layer w0.367: R6.1 cw(c44.575,25.974) 45.301,26.699 45.5,26.5 ccw(c46.767,27.767) 46.767,25.975 IC2.3
Y1: IC2.16 R7.1 | length 3.2
  Top Layer w0.367: IC2.16 ccw(c52.9,28.18) 53.54,27.54 54.699,28.699 cw(c55.425,27.974) R7.1
Y2: IC2.13 R8.1 | length 2.6
  Top Layer w0.367: IC2.13 54.64,25.325 cw(c54.64,24.215) R8.1
Y3: IC2.15 R9.1 | length 3
  Top Layer w0.367: IC2.15 53.095,26.625 ccw(c53.095,27.905) 54,27 54.699,27.699 cw(c55.425,26.974) R9.1
Y4: IC2.6 R10.1 | length 3.6
  Top Layer w0.367: R10.1 cw(c45.963,22) 44.982,22.982 45.5,23.5 cw(c46.767,22.233) 46.767,24.025 IC2.6
Y5: IC2.11 R11.1 | length 2.5
  Top Layer w0.367: IC2.11 55.365,24.025 cw(c55.365,23.94) R11.1
Y6: IC2.8 R12.1 | length 3.2
  Top Layer w0.367: R12.1 ccw(c44.575,21.937) 45.238,21.274 46.397,22.434 cw(c47.1,21.731) IC2.8
Y7: IC2.9 R13.1 | length 3.2
  Top Layer w0.367: IC2.9 cw(c52.9,21.82) 53.54,22.46 54.699,21.301 ccw(c55.425,22.026) R13.1
pads on no net: FID1.F FID2.F FID3.F IC4.1 IC4.4 IC4.9 IC4.12 J7.3

## Polygon pours and split planes (outlines as drawn)
GND on Top Layer "GND_L01_P008" (solid, remove dead copper, pour order 8): 38.5,42.5 35.5,42.5 35.5,53.5 38.5,53.5
GND on Top Layer "GND_L01_P007" (solid, remove dead copper, pour order 7): 37.163,74.027 64,74.027 64,55 40,55 40,53 32,53 32,62 37,62
GND on Top Layer "GND_L01_P006" (solid, remove dead copper, pour order 6): 0,71.1 24,71.1 24,87.1 35.5,87.1 35.5,77.1 34,77.1 34,61.8 42,61.8 42,77.1 38.5,77.1 38.5,87.1 62,87.1 62,78.7 56,78.7 56,69.1 66,69.1 66,77.1 65,77.1 65,85.4 76,85.4 76,83.1 100,83.1 100,100.1 0,100.1
GND on Top Layer "GND_L01_P005" (solid, remove dead copper, pour order 5): 0,73 24,73 24,44 61.2,44 61.2,52 60,52 60,59 66,59 66,52 64.5,52 64.5,44 76,44 76,87 100,87 100,0 0,0
3V3BUF on Top Layer "3V3BUF_L01_P003" (solid, remove dead copper, pour order 3): 57.8,33.2 58,33 61,33 61.3,32.7 61.3,30.8 61,30.5 55.9,30.5 55.6,30.8 55.6,32.8 56,33.2
3V3 on Top Layer "3V3_L01_P002" (solid, remove dead copper, pour order 2): 57.8,33.5 57.8,34.7 57.5,35 57.5,36.5 58.5,37.5 59.4,37.5 59.6,37.7 59.6,38.3 59.8,38.5 62.9,38.5 63.4,38 63.4,35.2 64,34.6 64,33.3 64.5,32.8 66,32.8 67.1,31.7 66.4,31 64,31 63.5,31.5 63.5,32.8 63.1,33.2 58.1,33.2
3V3 on Top Layer "3V3_L01_P001" (solid, remove dead copper, pour order 1): 77,25 75.8,25 74.8,24 72.5,24 72,24.5 72,27 72.5,27.5 76,27.5 77,26.5
6V5 on Top Layer "6V5_L01_P000" (solid, remove dead copper, pour order 0): 79,25 80.2,25 80.7,24.5 87.5,24.5 88,25 88,29.5 86,31.5 86,33.5 85.5,34 83.9,34 83.4,33.5 83.4,30.9 79,26.5
GND on Bottom Layer "GND_L04_P016" (solid, remove dead copper, pour order 16): 77,100 77,86 23,86 23,100
GND on Bottom Layer "GND_L04_P015" (solid, remove dead copper, pour order 15): 100,100 100,0 0,0 0,100 25,100 25,44 75,44 75,100
3V3BUF on Bottom Layer "3V3BUF_L04_P004" (solid, remove dead copper, pour order 4): 61,33 61.3,32.7 61.3,30.8 61,30.5 56.6,30.5 56,29.9 56,23 55,22 46,22 44,24 44,25 44.3,25.3 46.7,25.3 48.5,23.5 51.5,23.5 53.8,25.8 53.8,32.5 54.3,33
GND on 1 GND "GND_L02_P011" (solid, remove dead copper, pour order 11): 61.2,43.503 61.2,52 60,52 60,59 65.5,59 65.5,52 64.5,52 64.5,43.552 64.51,43.552
GND on 1 GND "GND_L02_P010" (solid, remove dead copper, pour order 10): 24,100 24,86 35,86 35,77 34,77 34,58 32,58 32,53 36,53 36,43 38,43 38,53 40,53 40,66 42,66 42,79 39,79 39,80.948 cw(c41.54,80.948) 39.744,82.744 43.293,86.293 cw(c45,84.586) 45,87 63,87 63,80.5 61.5,79 56,79 56,70 64.5,70 64.5,85.5 75.5,85.5 75.5,100
GND on 1 GND "GND_L02_P009" (solid, remove dead copper, pour order 9): 0,0 0,100 25,100 25,44 75,44 75,100 100,100 100,0
GND on 2 GND "GND_L03_P014" (solid, remove dead copper, pour order 14): 24,100 75,100 75,86 24,86
GND on 2 GND "GND_L03_P013" (solid, remove dead copper, pour order 13): 0,0 100,0 100,100 75,100 75,44 25,44 25,100 0,100
GND on 2 GND "GND_L03_P012" (solid, remove dead copper, pour order 12): 56,70 56,79 60.1,79 ccw(c60.1,80.9) 62,80.9 62,87 85.8,87 85.8,77.7 72.5,77.7 72.5,82.6 65.5,82.6 65.5,70 64.5,70

## Silkscreen, mask and mechanical layers (free items; w line width, h text height)
Top Overlay:
  lines w0.2: 2,45.7 2,43.2 7.199,43.2 7.199,45.682 ; 2,54.3 2,56.8 7.199,56.8 7.199,54.318 ; 9.19,24.706 6.8,24.706 6.8,30.294 9.19,30.294 ; 16.81,24.706 19.3,24.706 19.3,30.294 16.81,30.294 ; 35.79,29.106 33.4,29.106 33.4,34.694 35.79,34.694 ; 43.41,29.106 45.9,29.106 45.9,34.694 43.41,34.694 ; 45.682,91.301 43.3,91.301 43.3,98 45.7,98 ; 54.3,98 56.8,98 56.8,91.301 54.318,91.301 ; 78.19,29.206 75.8,29.206 75.8,34.794 78.19,34.794 ; 80.206,75.19 75.7,75.19 75.7,82.81 80.206,82.81 ; 85.81,29.206 88.2,29.206 88.2,34.794 85.81,34.794
  lines w3: 26,59 14,59 14,71 26,71 ; 60.1,45.5 26,45.5 26,84.5 74,84.5 74,45.5 65.3,45.5 ; 74,59 86,59 86,71 74,71
  text "TAITIEN NI-10M-3560" at 60,94.882 h3
  text "VCO" at 37.935,92.447 h2
  text "REFV" at 45.682,91.301 h2 r90
  text "GND" at 56.793,91.3 h2 r90
  text "Breakout Board" at 60,91.3 h3
  text "V1R0" at 80.5,91.3 h2
  text "Original Circuit Limited" at 60.6,89.114 h2
  text "SCL" at 75.7,80.303 h2
  text "SDA" at 75.7,77.763 h2
  text "GND" at 76.322,75.844 h2
  text "MOUNT XO ON / 3MM FOAM / INSULATION" at 40,60 h2
  text "NI-10M-3560:V1R0" at 7.2,59.5 h2 r90
  text "GND" at 2,54.3 h2
  text "6.5V" at 2,43.184 h2
  text "CLOCK" at 92.406,35.847 h2
  text "GND" at 78.19,29.206 h2 r90
  text "6.5V" at 88.308,29.206 h2 r90
  text "GND" at 35.79,29.106 h2 r90
  text "3.3V" at 45.906,29.106 h2 r90
  text "GND" at 9.19,24.706 h2 r90
  text "6.5V" at 19.308,24.706 h2 r90
  text "Y0" at 9.72,5.976 h2
  text "Y6" at 34.577,5.976 h2
  text "Y5" at 59.434,5.976 h2
  text "Y3" at 84.291,5.976 h2
  text "Y4" at 22.149,5.96 h2
  text "Y7" at 47.006,5.96 h2
  text "Y2" at 71.863,5.96 h2
  text "Y1" at 96.02,5.96 h2
Bottom Overlay:
  lines w3: 26,45.5 26,84.5 74,84.5 74,45.628 73.872,45.5 26,45.5
  text "3V3" at 90.598,82.001 h2
  text "SCL" at 90.598,78.194 h2
  text "SDA" at 90.598,74.384 h2
  text "TEMP" at 90.598,70.578 h2
  text "GND" at 90.598,66.764 h2
  text "GND" at 11.18,51.289 h2
  text "6V5" at 10.764,47.475 h2
  text "3V3" at 90.598,30.001 h2
  text "5V" at 90.598,26.2 h2
  text "ERR5V" at 90.598,18.576 h2
  text "GND" at 90.598,14.764 h2
Top Paste:
  lines w0.4: 35.69,56.11 36.39,56.11 ; 37.3,63.39 37.3,64.09 ; 37.3,65.91 37.3,66.61 ; 37.3,72.28 37.3,72.98 ; 37.3,74.8 37.3,75.5 ; 38.21,56.11 38.91,56.11 ; 62.7,57.02 62.7,57.72 ; 62.7,72.28 62.7,72.98 ; 62.7,74.8 62.7,75.5
  lines w0.5: 62.7,54.9 62.7,55.2
  lines w2: 35.755,65.809 ccw(c37.3,65) 35.84,64.046 ; 35.755,74.699 ccw(c37.3,73.89) 35.84,72.936 ; 36.491,54.565 ccw(c37.3,56.11) 38.254,54.65 ; 36.491,57.655 cw(c37.3,56.11) 38.254,57.57 ; 38.76,64.046 ccw(c37.3,65) 38.845,65.809 ; 38.76,72.936 ccw(c37.3,73.89) 38.845,74.699 ; 61.155,55.301 cw(c62.7,56.11) 61.24,57.064 ; 61.155,73.081 cw(c62.7,73.89) 61.24,74.844 ; 64.16,57.064 cw(c62.7,56.11) 64.245,55.301 ; 64.16,74.844 cw(c62.7,73.89) 64.245,73.081
Top Solder:
  lines w2: 1,2 ccw(c2,2) 2,1 98,1 ccw(c98,2) 99,2 99,96.5 ccw(c96.5,96.5) 96.5,99 3.5,99 ccw(c3.5,96.5) 1,96.5 1,2
Bottom Solder:
  lines w2: 1,2 ccw(c2,2) 2,1 98,1 ccw(c98,2) 99,2 99,96.5 ccw(c96.5,96.5) 96.5,99 3.5,99 ccw(c3.5,96.5) 1,96.5 1,2
Route Tool Path:
  lines w3: 32.5,49 29.5,49 29.5,81 32.5,81 ; 40.5,49 59.5,49 ; 40.5,81 59.5,81 ; 67.5,49 70.5,49 70.5,81 67.5,81